# Altium PCB 10515.0462_全联供主板(2拼版)_V1.0.PcbDoc (part 3 of 18) (continued)
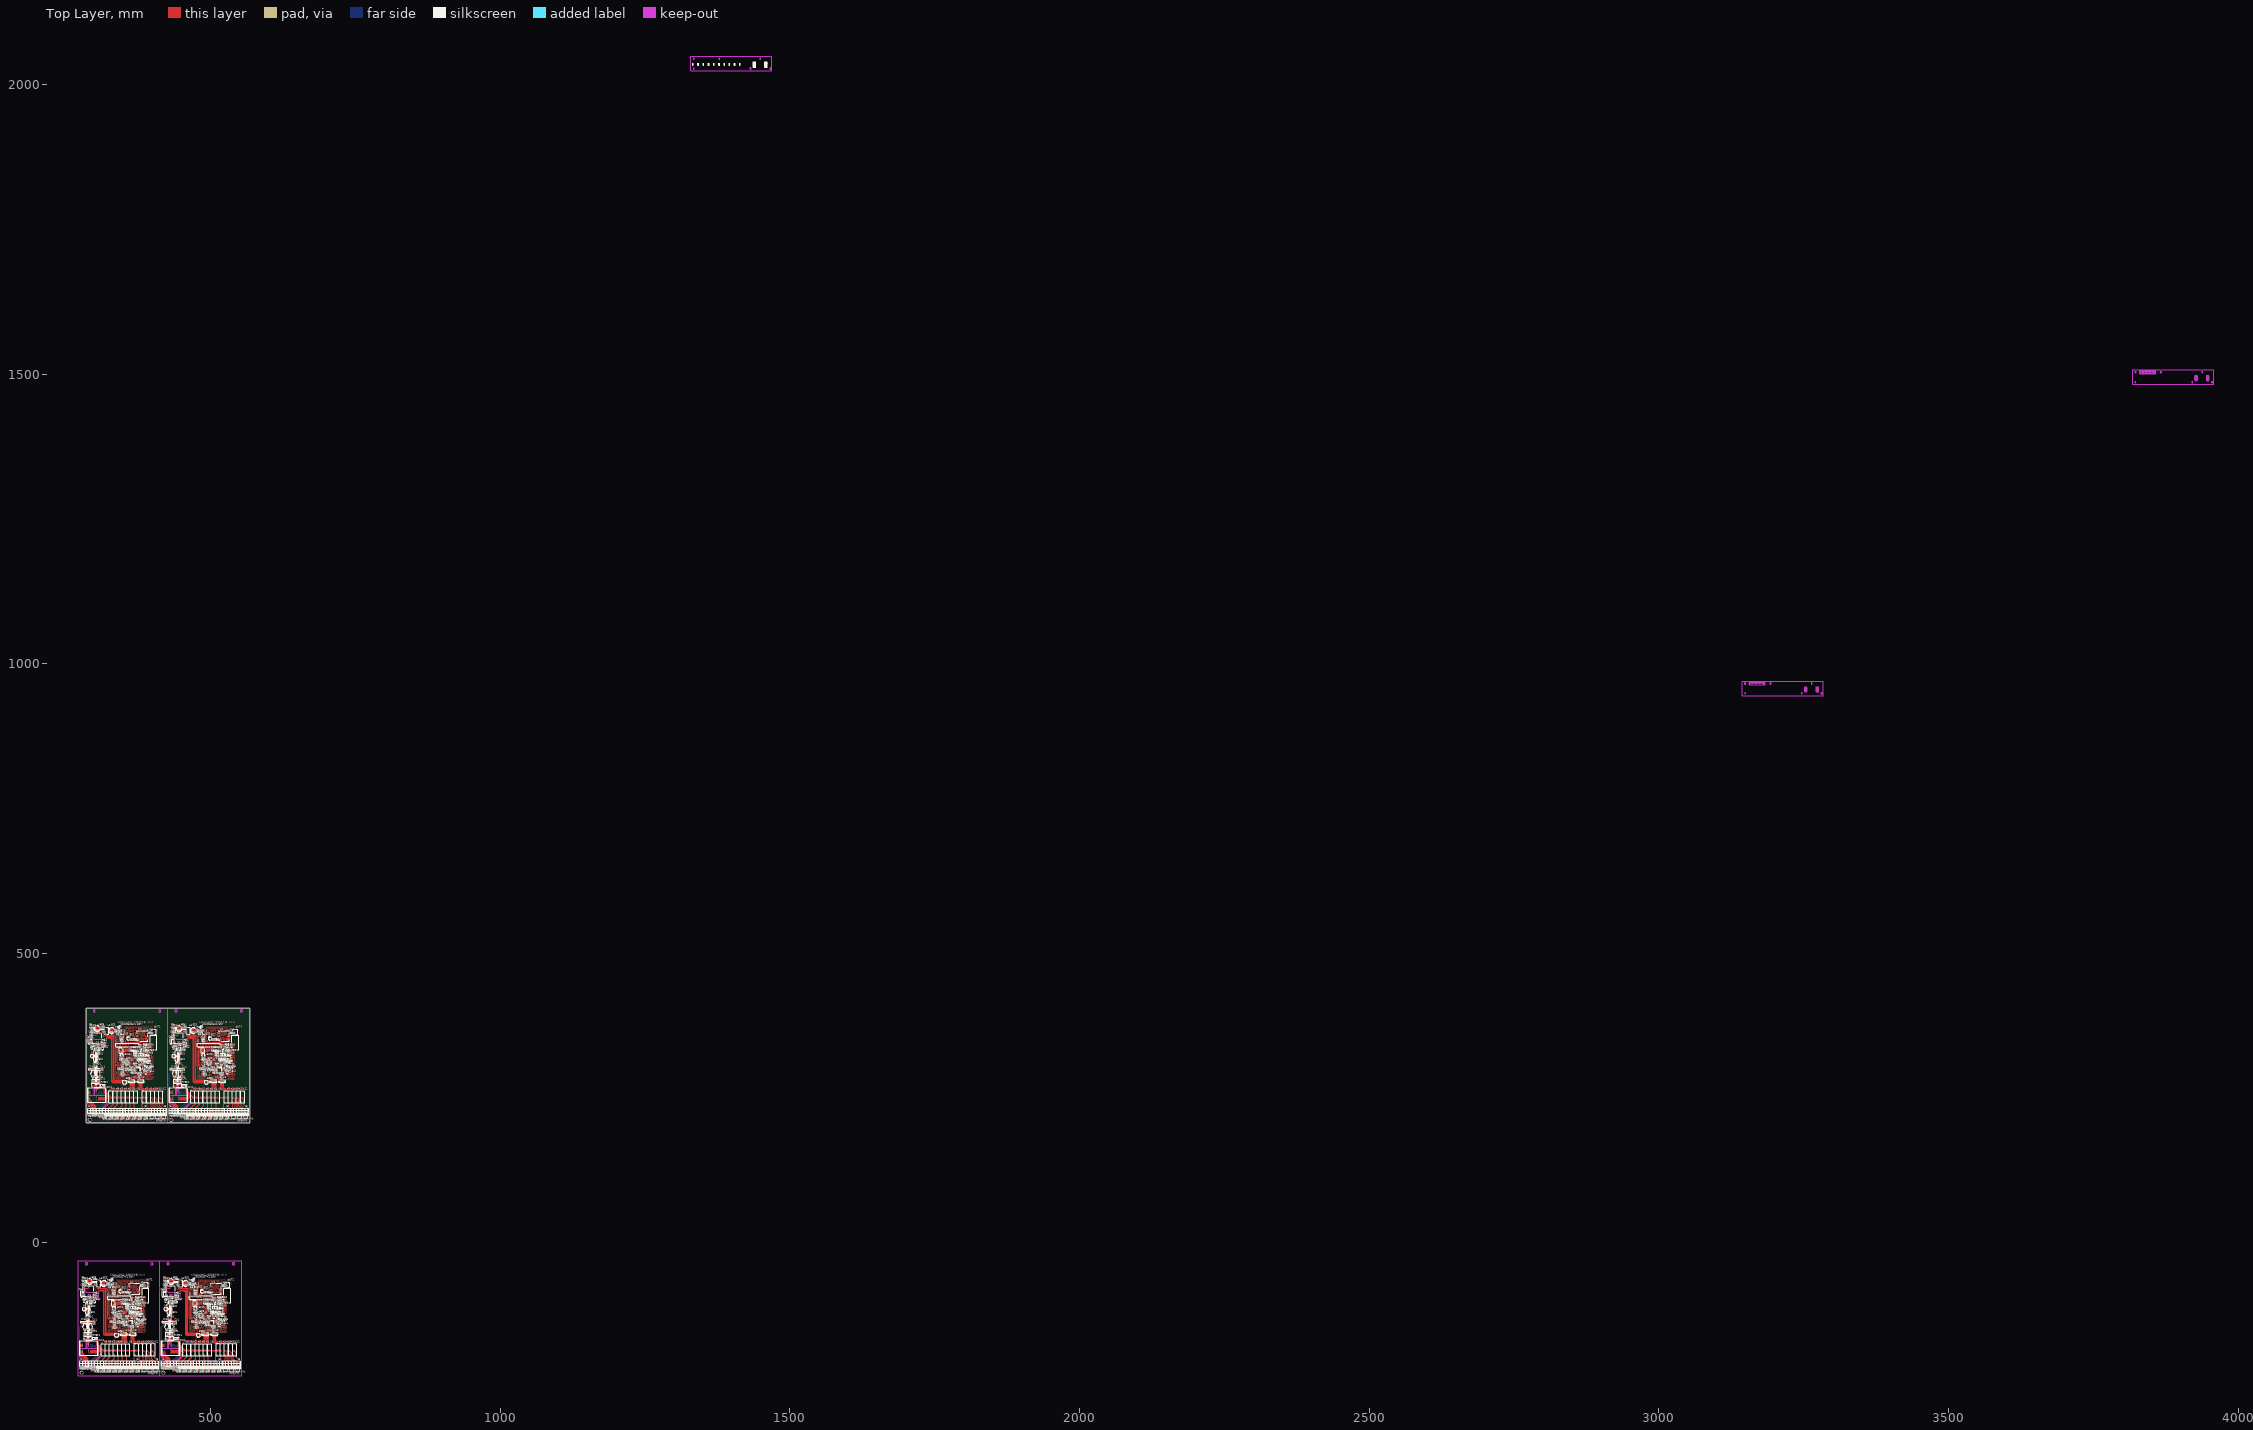
[diagram p0: Top Layer view]
## Nets (pads, with @x,y where several pads share a name; then routed paths per layer and width w, separated by ;. In a path a pad name is that pad's centre, name@x,y a point inside that pad or via, vN(x,y) a via of type N, cw(c..) or ccw(c..) an arc to the next point about the centre after c; other vN are vias at no path point) (continued)
357.202,-122.818 357.599,-123.216 361.93,-123.216 362.272,-123.558 362.272,-131.621 ; v1(357.271,344.494) 357.271,330.213 357.73,329.754 ; 357.601,-95.795 357.601,-96.916 357.866,-97.181 361.422,-97.181 362.946,-95.657 364.871,-95.657 ; 357.601,-93.917 cw(c357.601,-95.516) 358.731,-94.386 cw(c359.861,-93.255) 358.263,-93.255 ; 357.601,-93.717 cw(c357.601,-94.833) 358.39,-94.044 cw(c359.178,-93.255) 358.063,-93.255 ; 357.601,-93.255 358.86,-94.514 360.857,-94.514 361.619,-93.752 383.52,-93.752 384.047,-94.279 384.047,-144.533 383.412,-145.168 370.224,-145.168 369.692,-144.636 369.692,-141.115 369.098,-140.521 366.672,-140.521 ; v1@357.602,329.431 ccw(c357.294,329.739) 357.73,329.739 ; v1(357.652,324.809) 363.367,324.809 363.532,324.644 363.532,304.28 363.53,304.278 363.53,302.415 363.532,302.413 363.532,301.622 364.58,300.574 368.001,300.574 ; v1(357.779,329.254) 357.73,329.304 357.73,329.754 ; v1@357.829,324.633 cw(c358.255,324.206) 358.255,324.809 cw(c358.255,325.413) v1@357.829,324.986 ; 357.841,342.651 cw(c358.407,342.085) 358.505,342.88 ; v1@357.897,329.475 cw(c358.046,329.754) 357.73,329.754 ; 358.032,342.842 ccw(c357.797,343.078) 358.13,343.078 ; 358.245,300.16 358.271,300.135 ; 358.247,340.255 cw(c357.564,339.572) 358.53,339.572 cw(c359.495,339.572) 358.813,340.255 ; 358.53,340.8 358.53,330.155 359.314,329.37 366.807,329.37 367.132,329.045 367.132,312.192 367.558,311.766 373.089,311.766 373.901,310.955 373.901,304.974 ; 358.53,343.34 357.682,342.493 357.682,330.367 359.079,328.97 366.318,328.97 366.732,328.556 366.732,311.684 367.05,311.366 372.608,311.366 373.401,310.574 373.401,304.974 ; 358.57,-80.413 ccw(c357.887,-81.096) 357.887,-80.13 ; 358.57,-79.847 cw(c357.887,-79.164) 357.887,-80.13 ; 358.57,-74.413 ccw(c357.887,-75.096) 357.887,-74.13 ccw(c357.887,-73.164) 358.57,-73.847 ; 358.57,-72.413 ccw(c357.887,-73.096) 357.887,-72.13 ccw(c357.887,-71.164) 358.57,-71.847 ; 358.89,-119.126 cw(c358.367,-119.649) 359.107,-119.649 cw(c359.846,-119.649) 359.323,-119.126 ; v1@358.922,323.666 v1(359.176,323.666) 362.097,323.666 362.732,323.031 362.732,304.612 362.73,304.61 362.73,302.083 362.732,302.081 362.732,301.21 364.368,299.574 368.001,299.574 ; 359.107,-118.909 359.107,-121.154 359.263,-121.311 366.629,-121.311 366.968,-121.65 366.968,-131.177 366.524,-131.621 364.272,-131.621 ; 359.303,-80.13 357.887,-80.13 ; v1@359.307,330.143 ccw(c358.703,330.143) 359.13,330.57 ccw(c359.557,330.997) v1@359.557,330.393 ; v1@359.353,323.49 cw(c359.779,323.063) 359.779,323.666 cw(c359.779,324.27) v1@359.353,323.843 ; v1@359.38,344.318 cw(c358.953,343.891) 359.557,343.891 cw(c360.16,343.891) v1@359.734,344.318 ; v1(359.557,330.143) 359.049,330.651 359.049,339.426 359.557,339.934 v1(359.557,344.494) ; 359.73,300.135 359.756,300.135 ; 359.816,298.48 cw(c359.133,297.797) 360.099,297.797 cw(c361.064,297.797) 360.382,298.48 ; 360.099,298.763 360.099,297.747 360.283,297.563 367.99,297.563 368.001,297.574 ; 360.141,-93.255 384.04,-93.255 384.447,-93.663 384.447,-144.768 383.647,-145.568 370.058,-145.568 369.203,-144.713 369.203,-141.388 368.836,-141.021 366.672,-141.021 ; 360.313,-95.623 360.141,-95.795 361.784,-94.152 383.158,-94.152 383.647,-94.641 383.647,-144.367 383.246,-144.768 370.389,-144.768 370.092,-144.471 370.092,-140.753 369.36,-140.021 366.672,-140.021 ; 360.468,-93.582 cw(c361.256,-94.371) 361.256,-93.255 cw(c361.256,-92.14) 360.468,-92.929 ; 360.609,-93.724 cw(c361.739,-94.854) 361.739,-93.255 cw(c361.739,-91.657) 360.609,-92.787 ; 360.758,-109.765 360.782,-109.79 ; 360.772,-143.921 360.772,-151.649 361.587,-152.464 362.753,-152.464 362.98,-152.691 362.98,-154.85 ; 360.78,-114.423 360.948,-114.591 ; 360.78,-112.803 360.782,-112.801 ; 361.065,282.672 ccw(c360.638,283.099) 361.242,283.099 ccw(c361.845,283.099) 361.419,282.672 ; 361.135,300.498 361.462,300.171 363.135,300.171 364.233,299.074 368.001,299.074 ; 361.242,281.745 361.242,286.317 361.896,286.971 370.386,286.971 370.901,287.486 370.901,292.674 ; 361.272,-143.921 361.272,-151.387 361.949,-152.064 363.877,-152.064 364.25,-152.437 364.25,-154.85 ; 361.526,331.058 cw(c361.003,330.535) 361.743,330.535 cw(c362.483,330.535) 361.96,331.058 ; 361.623,298.763 361.623,298.31 361.97,297.963 366.746,297.963 366.857,298.074 368.001,298.074 ; 361.687,299.943 cw(c362.238,299.393) 362.238,300.171 ; 361.687,300.377 ccw(c362.183,300.872) 362.183,300.171 ; 361.743,331.275 361.743,330.124 362.097,329.77 367.143,329.77 367.532,329.381 367.532,312.49 367.856,312.166 373.697,312.166 374.401,311.463 374.401,304.974 ; 361.743,332.926 v1@362.385,332.926 ; 361.772,-143.921 361.772,-150.998 362.438,-151.664 365.255,-151.664 365.52,-151.929 365.52,-154.85 ; 362.028,332.745 cw(c362.385,332.484) v1@362.385,332.926 ; 362.028,333.107 ccw(c362.385,333.368) v1@362.385,332.926 ; 362.272,-143.921 362.272,-147.357 362.853,-147.938 362.853,-148.31 ; 362.335,282.672 ccw(c361.908,283.099) 362.512,283.099 ccw(c363.115,283.099) 362.689,282.672 ; v1@362.335,332.749 ccw(c361.908,332.323) 361.908,332.926 ccw(c361.908,333.53) v1@362.335,333.103 ; 362.443,-147.528 cw(c361.709,-148.262) 362.747,-148.271 ; v1@362.502,-122.25 cw(c361.851,-122.901) 362.772,-122.901 ; 362.512,281.745 362.512,285.809 363.274,286.571 370.767,286.571 371.401,287.205 371.401,292.674 ; v1@362.644,-122.108 cw(c362.334,-122.418) 362.772,-122.418 ; 362.772,-143.921 362.772,-147.149 363.107,-147.484 363.869,-147.484 364.123,-147.738 364.123,-150.856 364.377,-151.11 366.479,-151.11 366.79,-151.421 366.79,-154.85 ; 362.772,-131.621 v1@362.772,-122.166 ; 362.772,-122.452 cw(c363.058,-122.452) v1@362.856,-122.25 ; 362.772,-116.75 362.772,-116.641 ; 362.78,-147.865 cw(c362.378,-148.268) 362.947,-148.273 ; 362.803,-153.924 ccw(c362.376,-153.497) 362.98,-153.497 ccw(c363.584,-153.497) 363.157,-153.924 ; 363.272,-143.921 363.272,-146.868 363.488,-147.084 364.035,-147.084 364.523,-147.573 364.523,-150.475 364.758,-150.71 367.603,-150.71 368.06,-151.167 368.06,-154.85 ; 363.272,-130.403 cw(c365.139,-130.403) 363.819,-129.082 ; 363.272,-129.92 cw(c364.657,-129.92) 363.678,-128.941 ; 363.272,-129.64 363.272,-131.621 363.272,-128.878 ; 363.272,-129.437 cw(c364.174,-129.437) 363.536,-128.799 ; 363.311,295.358 ccw(c362.788,295.881) 363.528,295.881 ccw(c364.267,295.881) 363.744,295.358 ; 363.336,298.574 368.001,298.574 ; 363.528,295.103 363.528,296.574 ; 363.605,282.672 ccw(c363.178,283.099) 363.782,283.099 ccw(c364.385,283.099) 363.959,282.672 ; 363.764,-145.449 cw(c363.175,-146.037) 364.007,-146.037 ; 363.772,-131.621 363.772,-130.055 363.996,-129.831 365.139,-129.831 365.291,-129.679 365.291,-128.865 ; 363.782,281.745 363.782,285.428 364.474,286.12 371.332,286.12 371.901,286.689 371.901,292.674 ; 363.855,-145.541 ccw(c364.314,-145.083) 364.314,-145.731 ; 364.073,-153.924 ccw(c363.646,-153.497) 364.25,-153.497 ccw(c364.854,-153.497) 364.427,-153.924 ; 364.351,-119.126 cw(c363.828,-119.649) 364.568,-119.649 cw(c365.307,-119.649) 364.784,-119.126 ; 364.352,-146.037 363.772,-145.458 363.772,-143.921 363.772,-142.271 365.105,-140.938 v1(365.105,-139.091) 365.105,-136.297 365.381,-136.021 366.672,-136.021 369.026,-136.021 369.28,-135.767 369.28,-134.937 369.407,-134.937 ; 364.411,-98.657 ccw(c363.301,-99.766) 363.301,-98.197 ccw(c363.301,-96.628) 364.411,-97.737 ; 364.411,-96.117 ccw(c363.301,-97.226) 363.301,-95.657 ccw(c363.301,-94.088) 364.411,-95.197 ; 364.553,-98.515 ccw(c363.784,-99.283) 363.784,-98.197 ccw(c363.784,-97.111) 364.553,-97.879 ; 364.553,-95.975 ccw(c363.784,-96.743) 363.784,-95.657 ccw(c363.784,-94.571) 364.553,-95.339 ; 364.568,-118.909 364.568,-120.646 364.832,-120.911 367.01,-120.911 367.368,-121.269 367.368,-133.641 ; 364.875,282.672 ccw(c364.448,283.099) 365.052,283.099 ccw(c365.655,283.099) 365.229,282.672 ; v1@364.928,-139.268 cw(c364.502,-139.695) 365.105,-139.695 cw(c365.709,-139.695) v1@365.282,-139.268 ; v1@364.928,-138.914 ccw(c364.502,-138.487) 365.105,-138.487 ccw(c365.709,-138.487) v1@365.282,-138.914 ; 365.052,281.745 365.052,285.174 365.598,285.72 371.821,285.72 372.401,286.3 372.401,292.674 ; 365.075,-129.082 cw(c364.552,-129.605) 365.291,-129.605 cw(c366.031,-129.605) 365.508,-129.082 ; 365.089,331.058 cw(c364.566,330.535) 365.306,330.535 cw(c366.045,330.535) 365.522,331.058 ; 365.261,334.654 v1@365.891,334.654 ; 365.286,295.105 365.356,295.105 ; 365.306,331.275 365.306,330.517 365.653,330.17 367.658,330.17 367.932,329.897 367.932,312.871 367.932,312.827 368.193,312.566 374.178,312.566 374.901,311.844 374.901,304.974 ; 365.306,332.926 v1(366.068,332.926) ; 365.343,-153.924 ccw(c364.916,-153.497) 365.52,-153.497 ccw(c366.124,-153.497) 365.697,-153.924 ; 365.356,293.454 366.093,293.454 ; 365.358,-145.313 cw(c364.633,-146.037) 365.658,-146.037 ; v1@365.436,-133.299 ccw(c365.01,-133.726) 365.01,-133.122 ccw(c365.01,-132.518) v1@365.436,-132.945 ; 365.549,334.477 cw(c365.891,334.236) v1@365.891,334.654 ; 365.549,334.831 ccw(c365.891,335.073) v1@365.891,334.654 ; 365.564,332.713 cw(c366.068,332.224) v1(366.068,332.926) ; 365.564,333.139 ccw(c366.068,333.628) v1(366.068,332.926) ; 365.573,293.238 cw(c366.093,292.72) 366.093,293.454 ; 365.573,293.671 ccw(c366.093,294.189) 366.093,293.454 ; 365.643,-145.598 ccw(c365.965,-145.276) 365.965,-145.731 ; 365.699,-145.654 cw(c365.316,-146.037) 365.858,-146.037 ; 365.74,-145.695 365.232,-145.187 364.47,-145.187 364.272,-144.989 364.272,-143.921 364.272,-142.337 365.088,-141.521 366.672,-141.521 366.104,-141.521 ; v1@365.841,334.477 ccw(c365.414,334.051) 365.414,334.654 ccw(c365.414,335.258) v1@365.841,334.831 ; v1@365.891,332.749 ccw(c365.464,332.323) 365.464,332.926 ccw(c365.464,333.53) v1@365.891,333.103 ; 366.145,282.672 ccw(c365.718,283.099) 366.322,283.099 ccw(c366.925,283.099) 366.499,282.672 ; 366.15,342.678 cw(c366.15,341.08) 367.28,342.21 cw(c368.41,343.34) 366.812,343.34 ; 366.15,342.878 cw(c366.15,341.763) 366.938,342.551 cw(c367.727,343.34) 366.612,343.34 ; 366.15,343.34 367.431,342.059 367.431,338.271 367.704,337.998 371.114,337.998 371.452,337.66 371.452,336.79 371.749,336.493 384.957,336.493 385.338,336.112 385.338,323.031 385.846,322.523 385.846,322.079 ; 366.322,281.745 366.322,284.666 366.976,285.32 372.183,285.32 372.901,286.038 372.901,292.674 ; v1@366.379,-133.122 ccw(c365.776,-133.122) 366.202,-132.695 ccw(c366.629,-132.268) v1@366.629,-132.872 ; v1@366.415,355.035 369.463,355.035 370.079,355.035 370.333,355.289 370.333,363.811 370.987,364.465 372.932,364.465 ; v1@366.542,295.574 368.001,295.574 ; 366.613,-153.924 ccw(c366.186,-153.497) 366.79,-153.497 ccw(c367.394,-153.497) 366.967,-153.924 ; 366.672,-139.521 369.622,-139.521 371.045,-140.944 371.362,-140.944 371.426,-140.944 372.124,-140.245 375.045,-140.245 375.37,-140.57 ; 366.672,-139.021 371.09,-139.021 ; 366.672,-138.521 370.731,-138.521 372.782,-136.471 372.782,-132.018 373.515,-131.285 ; 366.672,-138.021 370.666,-138.021 372.382,-136.305 372.382,-130.074 372.763,-129.693 374.63,-129.693 374.903,-129.42 374.903,-121.311 375.157,-121.057 379.71,-121.057 380.103,-120.665 380.103,-118.864 ; 366.672,-137.521 370.6,-137.521 371.982,-136.139 371.982,-129.82 372.509,-129.293 374.249,-129.293 374.503,-129.039 374.503,-117.755 375.045,-117.213 ; 366.672,-137.021 370.534,-137.021 371.582,-135.974 371.582,-129.185 371.874,-128.893 373.741,-128.893 374.103,-128.531 374.103,-117.139 374.884,-116.358 v1(374.884,-116.104) ; 366.672,-136.521 370.469,-136.521 371.182,-135.808 371.182,-128.95 371.816,-128.316 371.816,-125.031 ; 366.672,-135.521 368.46,-135.521 368.701,-135.281 368.701,-133.992 369.407,-133.286 ; 366.672,-135.021 367.905,-135.021 368.301,-134.626 368.301,-126.285 368.282,-126.266 368.282,-121.908 368.859,-121.33 372.706,-121.33 373.595,-120.441 373.595,-116.059 373.614,-116.04 ; 366.672,-134.521 367.481,-134.521 367.776,-134.227 367.776,-133.513 367.772,-133.509 367.772,-121.565 368.534,-120.803 371.836,-120.803 372.217,-120.422 372.217,-116.04 ; 366.672,-134.021 366.988,-134.021 367.368,-133.641 ; v1(366.923,354.273) 367.177,354.527 369.209,354.527 370.479,354.527 370.733,354.781 370.733,355.416 370.733,362.02 371.178,362.465 372.932,362.465 ; 367.018,294.932 cw(c367.336,294.614) 367.336,295.064 ; 367.071,294.986 cw(c367.275,294.782) 367.334,295.064 ; 367.337,-134.511 ccw(c367.337,-134.139) 367.6,-134.402 ; 367.345,-134.015 cw(c367.568,-133.841) 367.368,-133.641 ; 367.415,282.672 ccw(c366.988,283.099) 367.592,283.099 ccw(c368.195,283.099) 367.769,282.672 ; v1@367.558,353.638 370.098,353.638 370.987,353.638 371.241,353.892 371.241,356.211 371.495,356.465 ; 367.592,281.745 367.592,284.412 368.1,284.92 372.672,284.92 373.401,285.649 373.401,292.674 ; v1@367.735,353.462 cw(c368.161,353.035) 368.161,353.638 cw(c368.161,354.242) v1@367.735,353.815 ; 367.883,-153.924 ccw(c367.456,-153.497) 368.06,-153.497 ccw(c368.664,-153.497) 368.237,-153.924 ; 368.001,295.074 367.159,295.074 366.449,294.363 366.449,293.81 366.093,293.454 ; 368.001,296.074 377.396,296.074 377.684,296.361 377.684,303.185 378.622,304.123 379.608,304.123 v1(380.258,303.473) ; 368.001,296.574 363.528,296.574 ; 368.001,297.074 356.84,297.074 356.543,296.776 356.543,294.202 ; 368.001,301.074 364.646,301.074 363.932,301.788 363.932,302.578 363.93,302.58 363.93,304.113 363.932,304.115 363.932,325.385 363.745,325.571 355.65,325.571 355.635,325.556 354.619,325.556 354.35,325.825 ; 368.001,302.074 365.043,302.074 364.732,302.385 364.732,302.91 364.73,302.912 364.73,303.781 364.732,303.783 364.732,326.274 364.036,326.97 352.259,326.97 351.71,327.519 351.71,346.68 352.191,347.161 387.751,347.161 388.259,347.669 388.259,355.797 388.927,356.465 390.632,356.465 ; 368.001,302.574 365.409,302.574 365.132,302.851 365.132,303.075 365.13,303.077 365.13,303.616 365.132,303.618 365.132,326.782 364.544,327.37 352.424,327.37 352.11,327.685 352.11,345.175 ; 368.222,340.332 cw(c367.092,339.202) 368.69,339.202 cw(c370.288,339.202) 369.158,340.332 ; 368.363,340.473 cw(c367.574,339.685) 368.69,339.685 cw(c369.805,339.685) 369.016,340.473 ; 368.511,331.058 cw(c367.988,330.535) 368.728,330.535 cw(c369.468,330.535) 368.945,331.058 ; 368.544,306.624 cw(c368.02,306.101) 368.76,306.101 cw(c369.5,306.101) 368.977,306.624 ; 368.685,282.672 ccw(c368.258,283.099) 368.862,283.099 ccw(c369.465,283.099) 369.039,282.672 ; 368.69,340.8 368.69,338.664 368.955,338.398 371.374,338.398 371.856,337.916 371.856,337.167 372.13,336.893 385.319,336.893 385.738,336.474 385.738,335.731 385.738,323.393 385.973,323.158 386.862,323.158 387.243,322.777 387.243,322.079 ; 368.69,342.678 cw(c368.69,341.08) 369.82,342.21 cw(c370.95,343.34) 369.352,343.34 ; 368.69,342.878 cw(c368.69,341.763) 369.478,342.551 cw(c370.267,343.34) 369.152,343.34 ; 368.69,343.34 369.844,342.186 369.844,339.052 370.098,338.798 371.54,338.798 371.94,338.398 378.499,338.398 ; 368.728,331.275 368.728,330.297 368.332,329.901 368.332,313.379 368.332,313.335 368.701,312.966 374.448,312.966 375.401,312.014 375.401,304.974 ; 368.728,332.926 369.072,332.926 368.735,332.926 ; 368.76,306.841 368.76,306.081 369.082,305.759 370.225,305.759 ; 368.819,-133.874 cw(c369.407,-134.462) 369.407,-133.63 ; 368.862,281.745 368.862,283.777 369.497,284.412 372.926,284.412 373.901,285.387 373.901,292.674 ; 368.911,-133.782 ccw(c368.453,-133.324) 369.101,-133.324 ; 368.953,322.325 ccw(c368.407,322.871) 369.179,322.871 ; 368.963,323.635 cw(c368.44,323.112) 369.179,323.112 cw(c369.919,323.112) 369.396,323.635 ; 369.179,322.156 369.179,323.852 ; 369.179,322.826 ccw(c369.887,322.826) 369.386,322.325 ; 369.19,-135.192 cw(c368.974,-135.408) 369.28,-135.408 cw(c369.69,-135.407) 369.465,-135.064 ; 369.28,-135.777 cw(c369.933,-135.777) 369.575,-135.231 ; 369.792,-123.38 371.816,-123.38 ; 370.059,-139.021 cw(c370.059,-140.558) 371.145,-139.471 ; 370.086,305.759 cw(c370.086,305.324) 370.394,305.632 ; 370.143,-123.631 cw(c370.747,-124.235) 370.747,-123.38 ; 370.143,-123.157 ccw(c370.682,-122.617) 370.682,-123.38 ; 370.232,-140.131 ccw(c371.362,-139.001) 371.362,-140.599 ccw(c371.362,-139.614) 372.059,-140.311 ; 370.284,-123.772 cw(c371.229,-124.718) 371.229,-123.38 ; 370.284,-123.015 ccw(c371.165,-122.134) 371.165,-123.38 ; 370.289,305.695 ccw(c370.401,305.807) 370.401,305.649 ; 370.391,305.636 ccw(c370.225,305.586) 370.225,305.759 ; 370.401,292.674 370.401,294.632 370.733,294.964 377.464,294.964 378.084,295.584 378.084,302.95 378.607,303.473 v1(379.242,303.473) ; 370.401,304.974 370.401,305.584 370.225,305.759 ; 370.41,-111.278 370.727,-111.595 ; 370.411,306.841 370.901,306.351 370.901,304.974 ; 370.461,306.535 cw(c370.484,305.973) 370.882,306.371 cw(c371.215,306.704) 370.751,306.787 ; 370.542,-139.021 cw(c370.542,-140.075) 371.287,-139.33 ; 370.573,-140.473 ccw(c371.362,-139.684) 371.362,-140.799 ccw(c371.362,-140.297) 371.717,-140.652 ; 370.614,320.122 cw(c370.091,319.599) 370.83,319.599 cw(c371.57,319.599) 371.047,320.122 ; 370.83,320.338 370.83,316.353 370.83,313.777 371.228,313.379 375.559,313.379 375.901,313.038 375.901,304.974 ; 370.915,-140.814 ccw(c371.362,-140.367) 371.362,-140.999 ; 371.024,-139.021 cw(c371.024,-139.592) 371.428,-139.189 ; 371.23,340.8 371.23,339.68 371.495,339.414 375.051,339.414 376.575,340.938 378.499,340.938 ; 371.23,342.678 cw(c371.23,341.08) 372.36,342.21 cw(c373.49,343.34) 371.892,343.34 ; 371.23,342.878 cw(c371.23,341.763) 372.018,342.551 cw(c372.807,343.34) 371.692,343.34 ; 371.23,343.34 372.488,342.081 374.486,342.081 375.248,342.843 397.149,342.843 397.676,342.316 397.676,292.062 397.041,291.427 383.853,291.427 383.321,291.959 383.321,295.48 382.727,296.074 380.301,296.074 ; 371.6,-125.286 cw(c371.077,-125.809) 371.816,-125.809 cw(c372.556,-125.809) 372.033,-125.286 ; 371.6,-123.597 ccw(c371.077,-124.12) 371.077,-123.38 ccw(c371.077,-122.641) 371.6,-123.164 ; 371.668,-140.906 cw(c372.163,-140.906) 371.813,-140.556 ; 371.808,-113.663 cw(c371.069,-114.402) 372.111,-114.482 ; 372,-116.434 cw(c371.477,-116.957) 372.217,-116.957 cw(c372.957,-116.957) 372.434,-116.434 ; 372.116,-113.97 cw(c371.64,-114.446) 372.31,-114.497 ; 372.125,-114.198 ccw(c372.085,-114.072) 372.217,-114.072 ; 372.199,356.183 ccw(c371.516,355.5) 371.516,356.465 ; 372.199,356.748 cw(c371.516,357.431) 371.516,356.465 ; 372.199,362.183 ccw(c371.516,361.5) 371.516,362.465 ccw(c371.516,363.431) 372.199,362.748 ; 372.199,364.183 ccw(c371.516,363.5) 371.516,364.465 ccw(c371.516,365.431) 372.199,364.748 ; 372.217,-114.516 372.217,-114.072 ; 372.309,-114.198 cw(c372.349,-114.072) 372.217,-114.072 ; 372.519,317.469 cw(c371.996,316.946) 372.735,316.946 cw(c373.475,316.946) 372.952,317.469 ; 372.735,317.686 372.735,315.441 372.892,315.284 380.258,315.284 380.597,314.946 380.597,305.418 380.153,304.974 377.901,304.974 ; 372.782,-135.292 374.213,-135.292 ; 372.932,356.465 371.516,356.465 ; 373.397,-116.434 cw(c372.92,-116.912) 373.595,-116.912 ; 373.413,-114.258 ccw(c373.031,-113.818) 373.614,-113.818 ; 373.595,-117.002 cw(c374.399,-117.002) 373.831,-116.434 ; 373.614,-114.516 373.614,-113.818 ; 373.77,343.34 397.668,343.34 398.076,342.932 398.076,291.827 397.276,291.027 383.687,291.027 382.832,291.883 382.832,295.207 382.465,295.574 380.301,295.574 ; 373.815,-114.258 cw(c374.197,-113.818) 373.614,-113.818 ; 373.942,340.972 373.77,340.8 375.413,342.443 396.787,342.443 397.276,341.954 397.276,292.228 396.875,291.827 384.018,291.827 383.721,292.125 383.721,295.842 382.989,296.574 380.301,296.574 ; 373.958,-135.509 ccw(c373.435,-136.032) 373.435,-135.292 ccw(c373.435,-134.553) 373.958,-135.076 ; 374.096,343.013 cw(c374.885,342.225) 374.885,343.34 cw(c374.885,344.455) 374.096,343.667 ; 374.238,342.872 cw(c375.368,341.742) 375.368,343.34 cw(c375.368,344.938) 374.238,343.808 ; 374.386,326.83 374.411,326.806 ; 374.401,292.674 374.401,284.947 375.216,284.131 376.381,284.131 376.609,283.904 376.609,281.745 ; 374.408,322.172 374.577,322.004 ; 374.408,323.792 374.411,323.794 ; 374.583,-117.675 cw(c375.358,-118.45) 375.449,-117.358 ; 374.888,-117.37 cw(c375.405,-117.886) 375.465,-117.158 ; 374.901,292.674 374.901,285.209 375.578,284.531 377.505,284.531 377.879,284.158 377.879,281.745 ; 375.164,-117.302 ccw(c375.045,-117.338) 375.045,-117.213 ; 375.164,-117.125 cw(c375.045,-117.089) 375.045,-117.213 ; 375.191,-140.837 ccw(c375.082,-140.57) 375.37,-140.57 ; v1@375.287,-119.97 cw(c374.925,-120.36) 375.457,-120.36 ; 375.37,-141.402 375.37,-140.57 ; 375.401,292.674 375.401,285.598 376.067,284.931 378.883,284.931 379.149,284.666 379.149,281.745 ; v1(375.457,-119.787) 375.457,-120.36 ; 375.457,-117.213 375.045,-117.213 ; 375.549,-140.837 cw(c375.658,-140.57) 375.37,-140.57 ; v1@375.627,-119.97 ccw(c375.989,-120.36) 375.457,-120.36 ; 375.901,292.674 375.901,289.238 376.482,288.657 376.482,288.286 ; 375.902,-135.254 375.864,-135.292 377.649,-135.292 ; 375.902,-133.648 375.902,-133.521 ; 376.027,-88.366 cw(c378.789,-88.366) 376.836,-86.413 ; 376.027,-87.883 cw(c378.306,-87.883) 376.695,-86.271 ; 376.027,-87.4 cw(c377.823,-87.4) 376.553,-86.13 ; 376.027,-86.917 cw(c377.34,-86.917) 376.412,-85.989 ; 376.071,289.067 cw(c375.338,288.334) 376.375,288.325 ; 376.118,-135.509 cw(c376.641,-136.032) 376.641,-135.292 cw(c376.641,-134.553) 376.118,-135.076 ; v1@376.131,314.346 cw(c375.48,313.695) 376.401,313.695 ; 376.159,-86.201 cw(c375.661,-86.29) 376.019,-86.648 cw(c376.357,-86.986) 376.464,-86.52 ; 376.204,-84.326 ccw(c375.87,-84.513) 375.87,-84.13 ; 376.204,-83.934 cw(c375.87,-83.747) 375.87,-84.13 ; 376.27,-82.413 ccw(c375.587,-83.096) 375.587,-82.13 ccw(c375.587,-81.164) 376.27,-81.847 ; 376.27,-80.413 ccw(c375.587,-81.096) 375.587,-80.13 ccw(c375.587,-79.164) 376.27,-79.847 ; v1@376.273,314.487 cw(c375.963,314.178) 376.401,314.178 ; 376.401,292.674 376.401,289.446 376.736,289.111 377.498,289.111 377.752,288.857 377.752,285.739 378.006,285.485 380.108,285.485 380.419,285.174 380.419,281.745 ; 376.401,304.974 v1@376.401,314.43 ; 376.401,314.143 cw(c376.687,314.143) v1@376.485,314.346 ; 376.401,319.845 376.401,319.955 ; 376.409,288.73 cw(c376.006,288.328) 376.575,288.323 ; 376.432,282.672 ccw(c376.005,283.099) 376.609,283.099 ccw(c377.212,283.099) 376.786,282.672 ; 376.901,292.674 376.901,289.727 377.117,289.511 377.663,289.511 378.152,289.023 378.152,286.12 378.387,285.885 381.232,285.885 381.689,285.428 381.689,281.745 ; 376.901,306.193 cw(c378.768,306.193) 377.448,307.513 ; 376.901,306.676 cw(c378.285,306.676) 377.306,307.655 ; 376.901,306.955 376.901,304.974 376.901,307.717 ; 376.901,307.159 cw(c377.803,307.159) 377.165,307.796 ; 377.003,-84.13 375.87,-84.13 ; 377.003,-82.13 375.584,-82.13 375.138,-82.576 375.138,-89.307 374.503,-89.942 338.943,-89.942 338.481,-90.404 338.481,-91.42 ; 377.392,291.146 cw(c376.804,290.558) 377.636,290.558 ; 377.394,-135.509 ccw(c376.871,-136.032) 376.871,-135.292 ccw(c376.871,-134.553) 377.394,-135.076 ; 377.401,304.974 377.401,306.54 377.625,306.764 378.768,306.764 378.92,306.916 378.92,307.73 ; 377.484,291.054 ccw(c377.942,291.512) 377.942,290.864 ; 377.683,-133.757 377.683,-133.698 377.683,-133.571 ; 377.702,282.672 ccw(c377.275,283.099) 377.879,283.099 ccw(c378.482,283.099) 378.056,282.672 ; 377.98,290.558 377.401,291.138 377.401,292.674 377.401,294.324 378.734,295.657 v1(378.734,297.504) 378.734,300.298 379.009,300.574 380.301,300.574 382.655,300.574 382.909,300.828 382.909,301.659 383.036,301.659 ; 377.98,317.469 cw(c377.457,316.946) 378.196,316.946 cw(c378.936,316.946) 378.413,317.469 ; 378.04,337.939 ccw(c376.93,336.829) 376.93,338.398 ccw(c376.93,339.968) 378.04,338.858 ; 378.04,340.479 ccw(c376.93,339.369) 376.93,340.938 ccw(c376.93,342.508) 378.04,341.398 ; 378.181,338.08 ccw(c377.413,337.312) 377.413,338.398 ccw(c377.413,339.485) 378.181,338.717 ; 378.181,340.62 ccw(c377.413,339.852) 377.413,340.938 ccw(c377.413,342.025) 378.181,341.257 ; 378.196,317.686 378.196,315.949 378.461,315.684 380.639,315.684 380.997,315.327 380.997,302.954 ; 378.337,-119.119 cw(c377.814,-119.642) 378.554,-119.642 cw(c379.294,-119.642) 378.771,-119.119 ; 378.554,-118.864 378.554,-120.181 378.186,-120.549 375.646,-120.549 375.457,-120.36 ; v1@378.557,297.328 cw(c378.13,296.901) 378.734,296.901 cw(c379.337,296.901) v1@378.911,297.328 ; v1@378.557,297.681 ccw(c378.13,298.108) 378.734,298.108 ccw(c379.337,298.108) v1@378.911,297.681 ; 378.704,307.513 cw(c378.18,306.99) 378.92,306.99 cw(c379.66,306.99) 379.137,307.513 ; 378.972,282.672 ccw(c378.545,283.099) 379.149,283.099 ccw(c379.752,283.099) 379.326,282.672 ; 378.987,291.283 cw(c378.262,290.558) 379.287,290.558 ; v1@379.065,303.297 ccw(c378.638,302.87) 378.638,303.473 ccw(c378.638,304.077) v1@379.065,303.65 ; 379.272,290.998 ccw(c379.593,291.319) 379.593,290.864 ; 379.328,290.941 cw(c378.945,290.558) 379.487,290.558 ; 379.369,290.9 378.861,291.408 378.099,291.408 377.901,291.607 377.901,292.674 377.901,294.258 378.716,295.074 380.301,295.074 379.732,295.074 ; 379.886,-119.119 cw(c379.363,-119.642) 380.103,-119.642 cw(c380.842,-119.642) 380.319,-119.119 ; v1@380.008,303.473 ccw(c379.404,303.473) 379.831,303.9 ccw(c380.258,304.327) v1@380.258,303.723 ; 380.242,282.672 ccw(c379.815,283.099) 380.419,283.099 ccw(c381.022,283.099) 380.596,282.672 ; 380.301,297.074 383.251,297.074 384.673,295.652 384.991,295.652 385.054,295.652 385.753,296.35 388.674,296.35 388.999,296.025 ; 380.301,297.574 384.719,297.574 ; 380.301,298.074 384.36,298.074 386.411,300.125 386.411,304.577 387.144,305.31 ; 380.301,298.574 384.295,298.574 386.011,300.29 386.011,306.521 386.392,306.902 388.259,306.902 388.532,307.175 388.532,315.284 388.786,315.538 393.339,315.538 393.731,315.931 393.731,317.731 ; 380.301,299.074 384.229,299.074 385.611,300.456 385.611,306.775 386.138,307.302 387.878,307.302 388.132,307.556 388.132,318.84 388.673,319.382 ; 380.301,299.574 384.163,299.574 385.211,300.622 385.211,307.41 385.503,307.702 387.37,307.702 387.732,308.064 387.732,319.456 388.513,320.237 v1(388.513,320.491) ; 380.301,300.074 384.097,300.074 384.811,300.787 384.811,307.645 385.445,308.28 385.445,311.564 ; 380.301,301.074 382.089,301.074 382.329,301.314 382.329,302.603 383.036,303.31 ; 380.301,301.574 381.533,301.574 381.929,301.97 381.929,310.311 381.911,310.329 381.911,314.688 382.488,315.265 386.335,315.265 387.224,316.155 387.224,320.536 387.243,320.555 ; 380.301,302.074 381.11,302.074 381.405,302.369 381.405,303.083 381.401,303.087 381.401,315.03 382.163,315.792 385.465,315.792 385.846,316.173 385.846,320.555 ; 380.301,302.574 380.617,302.574 380.997,302.954 ; 380.929,-133.345 ccw(c380.076,-132.491) 381.283,-132.491 ccw(c382.49,-132.491) 381.637,-133.345 ; 380.966,302.084 ccw(c380.966,302.456) 381.229,302.193 ; 380.974,302.58 cw(c381.197,302.754) 380.997,302.954 ; 381.029,-131.644 cw(c380.416,-132.258) 381.283,-132.258 ; 381.071,-133.486 ccw(c380.559,-132.974) 381.283,-132.974 ccw(c382.007,-132.974) 381.495,-133.486 ; 381.283,-133.571 381.283,-131.517 ; 381.283,-133.378 cw(c383.735,-133.378) 382.001,-131.644 ; 381.283,-132.895 cw(c383.252,-132.895) 381.86,-131.503 ; 381.283,-132.412 cw(c382.769,-132.412) 381.718,-131.362 ; 381.283,-131.93 cw(c382.286,-131.93) 381.577,-131.22 ; 381.413,-71.827 381.554,-71.967 381.579,-71.942 ; 381.512,282.672 ccw(c381.085,283.099) 381.689,283.099 ccw(c382.292,283.099) 381.866,282.672 ; v1@382.417,-74.482 v1@382.631,-74.482 ; 382.448,302.722 cw(c383.036,302.133) 383.036,302.965 ; 382.54,302.814 ccw(c382.082,303.272) 382.729,303.272 ; 382.819,301.404 cw(c382.603,301.187) 382.909,301.187 ; 382.909,300.818 cw(c383.562,300.818) 383.204,301.364 ; 382.909,301.188 cw(c383.319,301.188) 383.094,301.532 ; 383.421,313.215 385.445,313.215 ; 383.688,297.574 cw(c383.688,296.037) 384.774,297.124 ; 383.771,312.965 cw(c384.375,312.361) 384.375,313.215 ; 383.771,313.439 ccw(c384.311,313.978) 384.311,313.215 ; 383.861,296.464 ccw(c384.991,297.594) 384.991,295.996 ccw(c384.991,296.981) 385.687,296.285 ; 383.913,312.823 cw(c384.858,311.878) 384.858,313.215 ; 383.913,313.58 ccw(c384.794,314.461) 384.794,313.215 ; 384.038,325.317 384.356,325 ; 384.17,297.574 cw(c384.17,296.52) 384.916,297.265 ; 384.202,296.123 ccw(c384.991,296.911) 384.991,295.796 ccw(c384.991,296.298) 385.346,295.943